# KiCad board HVC-CPU-GPM-02.kicad_pcb (continued)
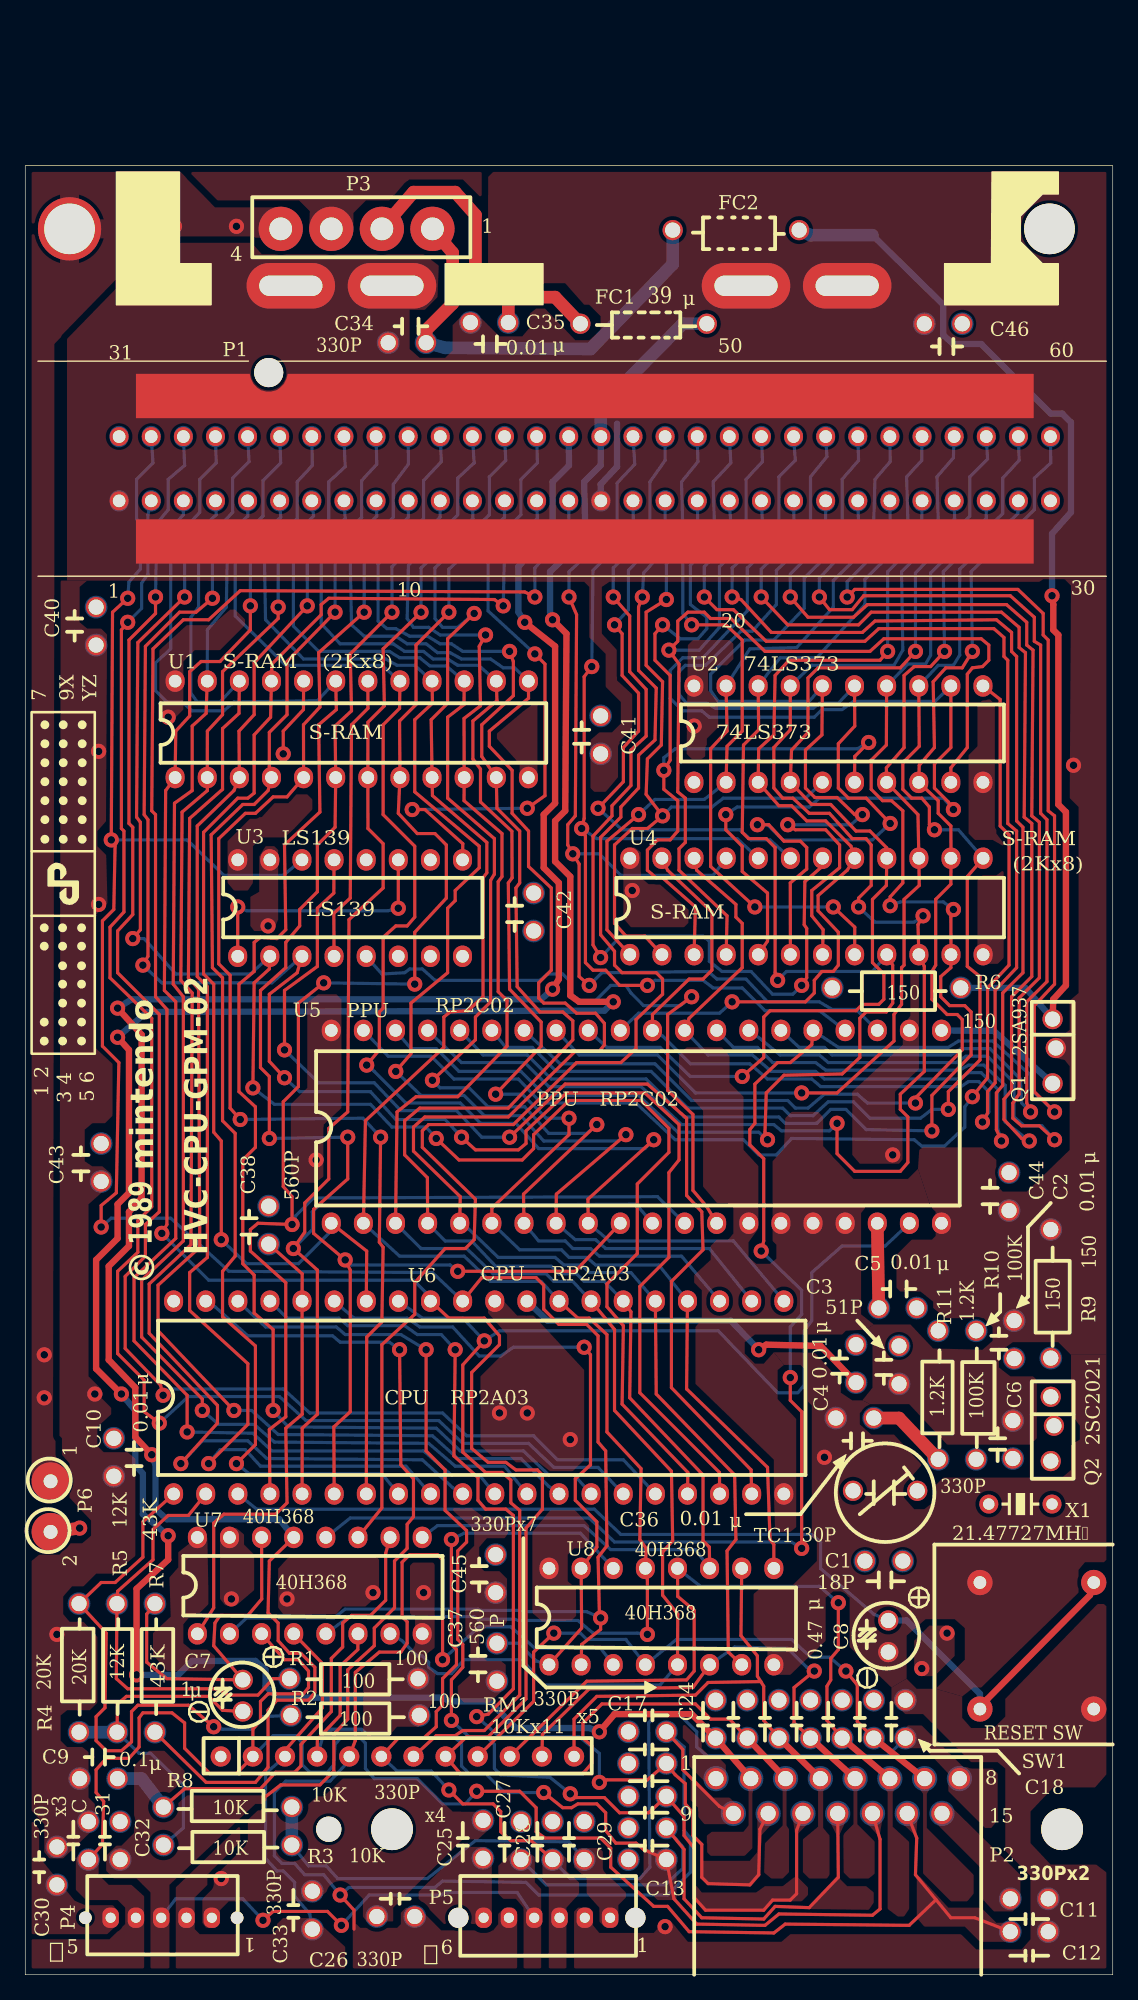
[diagram p0: board, top side]
## Routing (per net, layer and track width the routed paths; a pad name or vN(x,y) marks a point on that pad's centre or on a via; arc(x,y) is an arc through that point) (continued)
/A12: length 124.4
  Top w0.25: v1(10.9,45.8) 10.7,46.6 7.9,49.5 7.9,55.2 9.5,56.8 9.5,59.3 10.6,60.3 10.6,75.9 7.3,79.2 7.3,82.5 8.5,83.8 8.5,90.7 8.2,91 8.2,105.5 10.3,107.6 v1(10.3,108.9)
  Bottom w0.25: v1(10.9,45.8) 11.4,46.3 20.4,46.3 22.5,44.4 33,44.4 34.9,42.6 40.2,42.6 42.1,40.7 47.3,40.7 U6.16 ; P1.33 12.6,119.3 11.3,118.2 11.3,115.8 10.4,114.7 v1(10.3,108.9)
/A13: length 138.3
  Top w0.25: v1(12.6,108.9) 8.9,105.3 8.8,91.5 9.1,91.1 9.1,82.6 v1(8.5,81.9) ; v1(32.5,66.1) 34.3,64.4 39.3,64.4 40.2,65.3 40.2,66.4 43,69.1 48.7,69.1 50.9,66.9 50.9,65 48.4,62.5 48.4,57 46,54.6 46,52.8 47.3,51.3 47.2,45.1 52.4,39.7 U6.17 ; U3.2 19.3,79.5 18.1,78.4 v1(18,70.1)
  Bottom w0.25: v1(8.5,81.9) 9.4,81.9 11.9,79.1 17.8,79.1 U3.2 ; v1(12.6,108.9) 12.6,114.3 13.8,115.6 13.8,118.2 15.1,119.5 P1.34 ; v1(32.5,66.1) 31.7,67 29,67 27.3,68.8 19.7,68.8 v1(18,70.1)
/A14: length 141.3
  Top w0.25: v1(9.3,79.8) 9.7,80.5 9.7,91.3 9.4,91.7 9.5,105 12.2,107.7 13.5,107.7 v1(14.8,108.8) ; v1(34.5,66.2) 35.6,65.2 39,65.2 39.6,65.7 39.6,66.7 42.8,69.7 49,69.7 51.7,67.2 51.7,64.4 50.9,63.4 50.9,56.7 48.6,54.4 48.6,46 54.9,39.7 U6.18 ; v1(20.5,70.9) 19.3,72.2 19.3,77.5 21.5,79.2 U3.3
  Bottom w0.25: v1(9.3,79.8) 10.8,78.4 19.5,78.4 U3.3 ; v1(20.5,70.9) 21.7,69.8 27.3,69.8 29.3,67.6 33.2,67.6 v1(34.5,66.2) ; P1.35 17.7,119.6 16.4,118.3 16.4,115.6 14.8,113.9 v1(14.8,108.8)
/A15: length 88.1
  Top w0.25: U3.13 24.4,85.5 23.1,84.3 23.1,79.7 20.5,77.8 v1(20.5,73.1) ; U6.19 57.4,39.9 51.1,46.4 51.1,54.8 53.6,57.3 53.5,60.3 52.3,61.6 52.3,67.7 49.2,70.4 42.7,70.4 v1(38.3,66.2)
  Bottom w0.25: v1(38.3,66.2) 36.1,66.2 34.1,68.3 29.7,68.3 27.6,70.5 23.2,70.5 v1(20.5,73.1)
/ALE: length 90.1
  Top w0.25: v1(74.9,69.4) 76.1,70.9 76.1,78 77.8,79.8 77.8,90.1 77.1,90.8 77.1,100.8 U2.11
  Bottom w0.25: v1(74.9,69.4) 74.3,68.6 74.3,67 72.7,65.5 70.9,65.5 70.3,66 60.6,66.1 59.4,64.8 58,64.8 56.8,66 51.4,66 48.3,68.9 40.8,68.9 39,70.8 33.9,70.8 32.1,72.6 28.7,72.6 U5.39
/Audio and Video/AUX_SND: length 27.8
  Top w0.25: U7.14 18.7,29.7 17.6,28.4 15.4,28.4 15,27.8 14.9,26 C7.1 11.2,23.4 9.6,24.7 9.6,28.5 R7.1
/Audio and Video/SOUND: length 172.3
  Top w0.25: U7.13 19.3,32.7 19.2,28.6 20,27.8 20,26.4 20.9,25.4 21.8,25.4 22.9,24.3 22.9,22.3 22.4,21.7 19.9,21.7 19.2,20.9 19.2,16.4 18.2,15.2 14.3,15.2 R7.2
  Top w0.5: v1(7.3,76.4) 9.2,74.3 9.2,61.4 8.2,60.3 8.2,57.6 6.6,56 6.6,48.6 8.7,46.4 8.7,42.5 v1(10,41.1) ; v1(41.7,77.9) 42.2,78.7 42.2,86.3 41,87.5 41,91.7 41.9,92.6 41.9,105 v1(39.5,106.9)
  Bottom w0.5: v1(10,41.1) 10.3,40.3 10.3,36.8 11.2,36 20.1,36 U7.13 ; v1(7.3,76.4) 8.4,77.1 40.8,77.1 v1(41.7,77.9) ; v1(39.5,106.9) 39,107.7 39,111.3 41.7,114.3 41.7,118 43,119.3 P1.45
/Audio and Video/VID_A: length 86
  Top w0.5: v1(81.2,109) 81.3,108.3 81.3,106.3 81.7,105.9 81.7,92.5 82.3,91.9 82.3,78.2 81.3,77.1 Q1.1
  Bottom w0.5: Q1.1 79.1,78 R6.2 ; v1(81.2,109) 81.2,113.9 82.7,115.6 82.7,122.7 82,123.4 81.1,123.4 75.6,128.9 73.4,128.9 72.6,129.6 72.6,132 67,137.5
  Bottom w1: 67,137.5 62.1,137.5 FC2.1
/Controllers/4016_CUP: length 127.1
  Top w0.25: 72.03,5.93 69.9,3.9 60.1,4 59.2,3.3 52.5,3.4 50.8,5.4 49.7,5.4 46.3,8.5 46.3,10 45.5,10.8 41.1,10.8 40.4,11.3 40.4,13.2 39.1,14.5 v1(35.7,14.5) ; 72.03,5.93 73.2,4.5 75.1,4.5 C12.1 ; 72.03,5.93 70.4,7.9 70.5,10.8 P2.14 ; U7.3 20.5,24.9 21.6,24.9 22.4,24 22.4,22.7 22,22.2 19.2,22.2 18.6,21.6 18.6,20.1 18,19.4 RM1.2 16.7,15.9 14.6,15.9 12.6,17.9 12.6,19.9 11.6,20.7 9.3,20.7 9,20.3 9,18 8.2,17.1 6.4,17.1 5.6,16.2 5.6,14.4 6.2,13.7 6.1,10.3 C31.1
  Bottom w0.25: RM1.2 19.6,18.9 21.4,18.9 21.9,18.3 21.9,16.6 22.5,16 23.9,16 24.4,16.6 24.5,18.2 25,18.8 26.4,18.8 26.9,18.3 26.9,16.3 27.6,15.5 31,15.5 33,13.5 34.8,13.5 v1(35.7,14.5)
/Controllers/4016_D0: length 27.7
  Top w0.25: U7.4 23.5,24.6 23.5,21.1 20.6,17.8 RM1.3
  Bottom w0.25: C33.1 22.5,4.8 21.3,6.2 21.3,7.3 20.4,8.2 19.9,8.2 19,9.2 19,15.9 RM1.3
/Controllers/4016_D1: length 74.6
  Top w0.25: RM1.4 23.1,18.6 24.9,20.5 24.9,24.4 26.3,25.7 U7.6 ; v1(41,14.4) 42.5,13.2 43.2,13.2 43.7,13.5 45.2,13.5 45.9,12.8 45.9,11.4 46.7,10.4 48.3,10.4 48.9,9.9 C13.1 51.3,6 53.1,4 58.5,3.9 59.6,4.8 67,4.7 67.6,5.2 67.6,10.7 P2.13
  Bottom w0.25: RM1.4 23.5,18.7 24.2,19.4 26.6,19.4 27.4,18.7 34,18.7 34.5,18.3 34.5,16.5 35.1,15.9 36.4,15.9 37.9,14.4 v1(41,14.4)
/Controllers/4016_D2: length 38.7
  Top w0.25: U7.10 28.5,33.3 28.5,29.6 27.3,28.4 25.8,28.4 25.1,27.8 25.1,25.9 24.2,25 24.2,20.8 21.8,18.2 21.8,16.5 21.3,16 19.8,16 18.6,14.7 12.6,14.7 R8.2
  Bottom w1: R8.2 9.2,15.5 C9.1
/Controllers/4017_CUP: length 117.7
  Top w0.25: 26,3.6 26,5.1 v1(24.9,6.3) ; C17.1 52,17.8 52,16.2 54.9,13.3 P2.9 ; RM1.5 26.1,18.5 26.1,23.9 28,25.5 29.7,25.5 30.2,26.2 30.2,27.9 29.8,28.3 29.8,32.6 30.4,33.2 32.6,33.2 33,32.8 v1(33,24.9)
  Bottom w0.25: C17.1 52.1,18 52.1,11.4 52.6,10.8 52.6,8.1 50.8,6.3 40.6,6.3 39.6,7.3 33,7.4 32.4,6.9 25.6,6.9 v1(24.9,6.3) 23.6,7.9 22.1,7.9 21.3,8.8 20.3,8.8 19.7,9.4 19.7,14.4 20.6,15.3 24.1,15.3 25.6,16.9 RM1.5 ; v1(33,24.9) 35.9,27.5 38.4,27.5 40.3,25.8 45.5,25.8 U8.3
/Controllers/4017_D0: length 96.2
  Top w0.25: C28.1 40,10.6 38.4,10.6 37.6,11.3 37.6,12.9 37,13.5 34.6,13.5 v1(33.5,14.6) ; RM1.6 29.5,18.7 31.5,18.7 32.5,19.6 32.5,20.8 33,21.3 33,23.4 34.1,24.5 34.1,25.7 33.7,26.1 v1(33.7,34.4)
  Bottom w0.25: C18.1 68.2,17.3 53.9,17.3 53.1,18 53.1,19.2 51.8,20.5 49.8,20.5 49.3,19.9 49.4,8.5 48.6,7.6 43.1,7.6 C28.1 ; RM1.6 29.4,16.1 32.1,16.1 v1(33.5,14.6) ; v1(33.7,34.4) 34.7,34.9 43.9,34.9 U8.14
/Controllers/4017_D1: length 49.6
  Top w0.25: v1(41.8,27) 40.2,25.5 40.2,21.6 RM1.9 ; v1(64.9,24) 65.8,22.9 65.8,20 C19.1
  Top w0.5: P2.7 C19.1
  Bottom w0.25: v1(41.8,27) 43.9,27 44.4,26.5 47.5,26.5 U8.4 51.5,26.5 60.6,26.5 62.1,25.1 63.6,25.1 v1(64.9,24)
/Controllers/4017_D2: length 56.1
  Top w0.25: C20.1 63.4,20.1 63.4,22.8 63.7,23.3 63.7,25 64.3,25.7 v1(64.3,29.4) ; RM1.10 44.4,23.2 52.3,23.3 52.9,24 52.9,28.8 51.6,29.9 U8.12
  Top w0.5: P2.6 C20.1
  Bottom w0.25: U8.12 53.4,30.7 62.8,30.7 v1(64.3,29.4)
/Controllers/4017_D3: length 38.2
  Top w0.25: v1(62.4,24) 60.8,22.7 60.8,19.9 C21.1 ; U8.6 52.8,22.7 44.6,22.6 40.9,19 RM1.11
  Top w0.5: P2.5 C21.1
  Bottom w0.25: v1(62.4,24) 61.8,24.3 60.3,25.8 56.1,25.9 U8.6
/Controllers/4017_D4: length 37.9
  Top w0.25: C22.1 58.4,20.1 58.4,22.8 58.17,23.17 ; 58.17,23.17 57.9,23.6 57.9,25.2 56.6,26.8 U8.10 ; 58.17,23.17 54,23.1 53,22.1 45.2,22 43.4,20.2 RM1.12
  Top w0.5: P2.4 C22.1
/CPU_CLK: length 29
  Top w0.5: v1(58,49.4) 58.6,49.8 62.9,49.7 C4.1
  Bottom w0.5: v1(58,49.4) 55.8,51.7 41.3,51.7 U6.29
/CPU_SND1: length 44.2
  Top w0.25: v1(14.9,19.6) 12.9,21.3 8.9,21.3 8.4,20.8 8.4,18.4 7.6,17.7 6.4,17.7 5.6,18.5 5.6,20.4 6.3,21.1 6.4,27 R4.1 6,31 7.1,31 9.3,33 9.3,35.8 U6.1
  Bottom w0.25: R2.1 18.8,20.4 17.9,19.4 15.6,19.4 v1(14.9,19.6)
/CPU_SND2: length 33.2
  Top w0.25: R1.1 19.6,23.4 18.4,22.1 16,22.1 15.3,22.6 8.1,22.6 7.2,23.4 R5.1 7.3,30.31 10.1,32.8 10.1,35.2 11.3,36.3 12.9,36.3 U6.2
/D0: length 151.1
  Top w0.25: v1(35.5,107.6) 33.4,105.6 33.4,100.5 32.1,99.2 U1.9 32.2,93.2 36.5,89.5 36.5,87.1 36.2,86.7 36.2,77.3 35,76.2 33.6,76.1 33.1,75.7 33.1,73.3 26.9,67.5 U5.2 ; v1(49.2,26.9) 49.2,31.2 U8.13 49.1,33.7 48.6,34.4 48.7,40 46,42.9 46,50.6 44.6,51.9 43.7,51.9 U6.28
  Bottom w0.25: U5.2 29.6,56.8 34.7,56.8 36.8,54.8 40.8,54.8 U6.28 ; U7.5 25.6,28.3 35.5,28.3 35.8,28.1 38.7,28.1 39,28 43.7,28 44.9,27 48.4,27 v1(49.2,26.9) ; P1.43 38,119.7 36.7,118.4 36.7,115.4 32.4,111.2 32.4,107.2 33,106.5 34.2,106.5 v1(35.5,107.6)
/D1: length 154.1
  Top w0.25: U6.27 46.6,51 46.6,44.6 51.1,39.8 51.2,34.3 50.4,33.4 50.4,30 51.6,28.5 U8.5 ; v1(36.4,105.9) 35.9,105 36,100.3 34.7,99.3 U1.10 34.7,92.8 37.7,90.2 37.7,86.8 37.4,86.4 37.4,77.7 38.1,77 38.1,73.4 34.2,69.4 30.9,69.4 29.4,68.2 U5.3
  Bottom w0.25: U7.7 29.8,26.4 31,25.2 31.4,25.2 31.9,24.7 31.9,24.3 32.6,23.8 33.7,23.8 34.7,24.9 39.3,24.9 41,22.9 50.2,22.9 U8.5 ; U5.3 31.3,57.4 34.9,57.4 37,55.4 41.2,55.4 41.8,54.8 43.3,54.8 U6.27 ; v1(36.4,105.9) 32.8,105.9 31.9,106.5 30.7,106.5 30.2,107.2 30.3,111.4 34.2,115.4 34.2,118.3 35.5,119.5 P1.42
/D2: length 154.9
  Top w0.25: U5.4 31.8,63 30,64.8 30,67.5 31.2,68.5 38.2,68.5 43.3,73.9 43.3,75.4 42.5,76.1 40.7,76.1 38.9,78.1 38.8,85.9 39.1,86.3 39.1,90.4 37.3,92.2 U1.11 36.1,96.3 36.1,98.8 38.6,101.1 38.6,103.8 v1(38.3,104.6) ; U6.26 47.9,52.4 47.8,45.6 53.6,39.5 53.6,34.3 54.1,33.8 U8.11
  Bottom w0.25: U5.4 33.2,58 35.3,58 37.2,56 41.6,56 42.2,55.4 43.6,55.4 44.2,54.8 45.8,54.8 U6.26 ; v1(38.3,104.6) 34.6,104.6 33.7,105.2 32.8,105.2 31.8,105.8 30.4,105.8 29.3,106.4 28.6,106.4 27.9,107 27.9,111.5 31.5,115.1 31.5,118.1 32.9,119.6 P1.41 ; U8.11 53,33.6 46.3,33.6 44.2,35.5 32.6,35.5 U7.9
/D3: length 145.8
  Top w0.25: U5.5 34.4,61.5 30.7,65.1 30.7,67 31.6,67.8 38.2,67.8 43.5,73 45.4,73 45.8,73.5 45.8,75.2 45.1,76 43.6,76 42.7,76.8 41,76.8 40.6,77.2 40.6,78.4 41.6,79.4 41.6,85.9 39.8,87.6 39.8,90.4 38.5,91.8 38.5,95.2 36.7,97.1 36.7,98.3 39.8,100.9 U1.13 ; U8.7 55.6,25.5 55.5,33.5 56.2,34.4 56.1,39.5 49.9,45.9 U6.25
  Bottom w0.25: U1.13 38.7,103.3 37.8,103.3 36.8,104 34.5,104 33.6,104.5 32.6,104.5 31.7,105.2 30.2,105.2 29.3,105.8 26.8,105.8 25.8,106.7 25.7,111.8 29.1,115.2 29.1,117.8 30.3,119.4 P1.40 ; U5.5 34.9,59.1 37.4,56.7 41.9,56.7 42.6,56.1 44,56.1 44.6,55.5 47.9,55.5 U6.25
/D4: length 129.1
  Top w0.25: U8.9 59.2,34 58.9,34.4 58.7,40.1 52.3,46.3 U6.24 ; U5.6 36.9,60.6 43,66.4 v1(43,67.7) ; U1.14 37.3,100.7 35.4,99.1 35.4,96.1 36,95.3 36,92.7 38.48,90.38 38.5,86.7 38.2,86.3 38.3,77.9 40.8,75.3 40.8,73.4 v1(37.2,69.6)
  Bottom w0.25: U5.6 39.1,57.3 42.4,57.3 43,56.7 44.4,56.7 45.1,56.1 50.1,56.1 U6.24 ; v1(43,67.7) 41.2,67.7 39.3,69.6 v1(37.2,69.6) ; P1.39 27.8,119.4 26.6,118.1 26.6,115.2 23.4,112.1 23.4,106.8 24.9,105.2 29.1,105.2 30,104.6 31.5,104.6 32.25,104 33.4,104 34.2,103.5 35.85,103.5 U1.14
/D5: length 111.4
  Top w0.25: U5.7 39.4,61.7 v1(45.2,67.2) ; U1.15 34.7,100.4 33.4,99.4 33.4,93 37.1,89.8 37.1,87 36.8,86.5 36.8,76.9 35.6,75.7 35.6,73.9 v1(32.2,70.7)
  Bottom w0.25: U1.15 33.3,103.45 32,103.45 31.2,104.1 29.6,104.1 28.8,104.6 23.2,104.6 21.2,106.6 21.2,112.2 24,115 24,118 25.3,119.2 P1.38 ; v1(45.2,67.2) 44.4,66.5 41.4,66.5 39.5,68.6 36.6,68.6 35.1,70.1 32.8,70.1 v1(32.2,70.7) ; U6.23 51.9,56.8 45.4,56.8 44.7,57.4 43.3,57.4 42.7,58 40.6,58 U5.7
/D6: length 116.3
  Top w0.25: U1.16 32.2,100.5 30.8,99.2 30.8,93.5 35.9,89.2 35.9,87.5 34,85.7 34,84.9 33.4,84.3 33.4,79.2 30.5,76.8 30.5,72.8 v1(29.3,71.4) ; U5.8 42,61.7 v1(47.5,66.4)
  Bottom w0.25: U5.8 43.5,58.1 45.1,58.1 45.9,57.4 54.1,57.4 U6.22 ; U1.16 30.8,103.5 29.4,103.5 28.5,104 22,104 19,107.1 18.9,112.7 21.5,115.1 21.5,118 22.7,119.3 P1.37 ; v1(47.5,66.4) 46.9,65.9 41,65.9 39.2,67.9 36.3,67.9 34.7,69.5 31.3,69.5 v1(29.3,71.4)
/D7: length 117.6
  Top w0.25: U5.9 44.5,61.3 v1(49.7,66) ; U1.17 29.6,100.1 28.3,98.8 28.3,91.7 30.8,89.2 30.8,83.6 30.2,82.9 29.3,82.9 28.3,82 28.3,76.4 28,76.1 28,73.1 v1(27,71.9)
  Bottom w0.25: v1(27,71.9) 27.6,71.4 30.1,68.9 34.4,68.9 36,67.3 38.8,67.3 40.6,65.3 49,65.3 v1(49.7,66) ; U5.9 46.2,58 56,58 U6.21 ; P1.36 20.2,119.5 18.8,118.1 18.8,115.3 16.6,113.2 16.6,107.4 20.6,103.5 28.2,103.5 U1.17
/MIC: length 29
  Bottom w0.25: C29.1 43,10.5 35.6,10.6 31.8,7.6 24.7,7.6 23.8,8.6 22.4,8.6 R3.1
  Bottom w1: R8.1 R3.1
/OUT0: length 136.5
  Top w0.25: 18.9,14 20.2,15 23.3,15 24.4,16.1 24.4,19 25.5,20.2 25.5,24.1 27.6,26 27.6,27.4 29.2,29 29.2,32.7 30.2,33.7 30.2,35.6 30.7,36.2 30.7,39.2 29.7,40.3 v1(29.6,49.4) ; v1(25,3.9) 23.9,5 19.6,5 v1(18.8,4.3) ; C14.1 52.1,9.9 52.1,6 53.5,4.5 58.4,4.4 59.3,5.4 62,5.3 64.3,7.7 P2.12
  Bottom w0.25: P5.4 38.9,6.5 33.2,6.5 32.9,6.3 27.2,6.3 v1(25,3.9) ; C14.1 52,10.1 52,8.4 50.6,7.1 41.2,7.1 C27.1 ; v1(18.8,4.3) 17.2,6 11.9,6 P4.3 ; U6.39 15,52.8 17.6,50.5 24.3,50.5 24.9,50 28.8,50 v1(29.6,49.4)
/OUT1: length 93.5
  Top w0.25: P2.11 61,11.4 61,6.4 60.5,5.9 59.1,5.9 58.4,5.1 53.8,5.1 52.9,6.1 52.9,10 52.1,11 52.1,12.5 C15.1 49.3,12.8 47,12.8 45.8,14 43.6,14 v1(43.1,14.3) ; v1(31.7,49.4) 31.7,41.4 33.2,39.9 33.2,36.7 34.9,35.1 34.9,34.2 34.2,33.5 34.2,26.5 34.6,26.1 34.6,24.3 33.7,23.3 v1(33.7,20.1)
  Bottom w0.25: U6.38 19,51.2 24.6,51.2 25.3,50.6 29.7,50.6 v1(31.7,49.4) ; v1(43.1,14.3) 41.5,15.6 37.6,15.8 37.1,16.3 37.1,18.2 36.5,18.8 35.1,18.8 v1(33.7,20.1)
/OUT2: length 88.8
  Top w0.25: v1(34,49.4) 33.9,41 35.8,39.3 35.8,37.5 36.4,36.8 38,36.8 38.6,36.3 38.6,22.6 36.62,20.6 v1(35.7,20.4) ; v1(45.4,15.2) 46,15.4 49.2,15.4 C16.1 51.4,15.8 52.2,15.1 52.2,13.5 52.8,12.8 52.8,11 53.5,10.3 53.5,7.7 54,7.2 57.3,7.1 58,7.9 58.1,11.5 P2.10
  Bottom w0.25: v1(35.7,20.4) 37.5,18.8 43.8,18.8 45.4,17.5 v1(45.4,15.2) ; U6.37 20.7,51.9 24.8,51.9 25.5,51.3 30,51.3 31,50.6 32.9,50.6 v1(34,49.4)
/PA0: length 52
  Top w0.25: v1(63.9,84.4) 65.6,82.8 U4.8 ; v1(57.7,84.4) 54.2,87.6 54.2,96.9 55.5,98.3 U2.19
  Bottom w0.25: U2.19 57.3,104.8 61,104.9 63.9,108.1 63.9,110.2 68.4,114.6 P1.25 ; v1(57.7,84.4) v1(63.9,84.4)
/PA1: length 66
  Top w0.25: U4.7 63.1,82.6 62.2,83.7 62.2,85.7 64.4,87.5 64.4,89.3 63.3,90.5 60.9,90.5 v1(60.3,90.9) ; v1(66.2,91.7) 65.6,91.7 64.2,93.05 62.45,93.05 61.7,93.8 61.7,96.8 63,98 U2.16
  Bottom w0.25: P1.24 65.9,114.6 61.6,110.4 61.6,108 59.2,105.5 56.9,105.5 54.2,102.8 54.2,101.5 54.8,100.65 62,100.65 U2.16 ; v1(66.2,91.7) 65.3,90.9 v1(60.3,90.9)
/PA2: length 75.8
  Top w0.25: v1(68.4,91) 66.5,93 65.1,93 64.3,93.8 64.3,97.3 65.6,98.7 U2.15 ; U4.6 60.5,86.3 61.8,87.4 61.8,89.1 61.3,89.6 60,89.6 58.8,90.9 v1(57.9,90.9)
  Bottom w0.25: U2.15 64.3,100.5 62.8,100.5 62.3,100.1 54.6,100.1 53.9,100.5 52.3,100.5 51.7,101.2 51.7,103 52.2,103.5 53.8,103.5 56.6,106.2 57.5,106.2 59.4,108.3 59.4,111 63.3,114.7 P1.23 ; v1(68.4,91) 67,89.7 59.9,89.7 58.7,90.9 v1(57.9,90.9)
/PA3: length 86.8
  Top w0.25: U2.12 73.2,97 71.9,95.7 71.9,93.8 73,92.7 v1(73.4,92.1) ; U4.5 58.7,81.7 58.7,85.5 56.7,87.2 56.7,89.2 55.4,90.5 v1(55.4,91.7)
  Bottom w0.25: U2.12 71.95,100.65 65.5,100.65 64.6,100 63,100 62.4,99.4 54.1,99.4 53.5,99.9 52,99.9 51,100.9 51,103.1 52,104.1 53.6,104.1 57.1,107.8 57.1,111.2 60.8,114.7 P1.22 ; v1(73.4,92.1) 72.6,93 62.8,93 62,92.3 56.3,92.3 v1(55.4,91.7)
/PA4: length 84.3
  Top w0.25: U4.4 55.5,83.7 51.7,87.3 51.7,89 52.2,89.5 52.2,93 51.6,93.5 51.7,103.6 v1(50.9,104.7) 51.6,105.4 51.6,107 52.4,107.7 53.7,107.7 54.2,107.2 55.8,107.2 58.5,104.6 66.8,104.6 67.9,105.6 75.6,105.6 76.2,105.1 76.2,103.9 75.7,103.4 74.9,103.3 74.5,102.8 74.5,97 73.2,95.4 U2.9
  Bottom w0.25: P1.21 58.3,114.6 54.9,111.3 54.9,106.5 53.3,104.7 v1(50.9,104.7)
/PA5: length 68.5
  Top w0.25: v1(66.7,97.4) 65.6,96.3 U2.6 ; U4.3 53,84.4 50.4,86.7 49.9,86.7 49.2,87.3 49.2,88.9 50,89.7 51,89.7 51.6,90.4 51.6,92.8 50.5,93.7 v1(50.5,95.2) 51,96 51,102.7 49.8,103.9 49.8,106 v1(50.4,106.7)
  Bottom w0.25: v1(50.5,95.2) 50.5,96.2 51.4,96.9 65.8,96.9 v1(66.7,97.4) ; v1(50.4,106.7) 51.8,105.6 53.2,105.6 53.9,106.4 53.9,107.3 52.6,108.3 52.6,111.4 55.8,114.6 P1.20
/PA6: length 57.6
  Top w0.25: v1(50.7,108.7) 49.1,107.7 49.1,103.5 50.4,102.2 50.3,97.2 49.2,96.1 49.1,93.3 v1(50.4,91.6) 49.2,90.6 48,90.6 46.6,89.3 46.6,83.1 47.5,82.1 49,82.1 U4.2
  Bottom w0.25: P1.19 53.2,114.2 50.7,111.5 v1(50.7,108.7) ; U2.5 61.7,93 55.2,93 54.3,92.3 51.1,92.3 v1(50.4,91.6)
/PA7: length 53.6
  Top w0.25: v1(48.5,91.7) 46,89.6 46,82.6 U4.1 ; U2.2 55.5,97.1 56.7,98.3 56.7,105.5 55.4,106.7 v1(52.7,106.7)
  Bottom w0.25: U2.2 53.7,92.9 49.8,92.9 v1(48.5,91.7) ; v1(52.7,106.7) 52,107.6 52,111.8 54.5,114.6 54.4,118 55.8,119.5 P1.50
/PA8: length 129.2
  Top w0.25: v1(53.7,108.9) 54.7,107.9 56,107.9 58.6,105.4 66.4,105.4 67.5,106.4 76.6,106.4 77.4,105.7 77.4,104.2 77.7,103.9 77.7,91 78.4,90.4 78.4,79.6 76.7,77.8 76.7,70.5 76.1,69.8 76.1,68.1 v1(75.7,67.4) ; U5.30 49.6,75.9 52.5,78.7 53.6,78.7 54.3,79.4 54.3,84 50.8,87.3 U4.23
  Bottom w0.25: U5.30 50.4,74.2 52.6,72 57.3,72 58.7,70.8 62.2,70.8 62.9,70.2 74,70.2 74.6,70.6 75.4,70.6 76.2,69.8 76.2,68.2 v1(75.7,67.4) ; P1.51 58.3,119.6 57,118.2 57,114.7 53.7,111.3 v1(53.7,108.9)
/PA9: length 128.5
  Top w0.25: U5.29 52.5,75.6 56.7,79.6 56.7,83.1 56.2,83.6 56.2,84.6 53.1,87.3 U4.22 ; v1(55.9,108.9) 56.6,108.7 59,106.1 66.2,106.1 67.2,107 76.8,107.1 78,106.1 78,104.6 78.4,104.2 78.4,91.2 78.9,90.7 78.9,79.2 77.3,77.6 77.3,70.3 76.8,69.7 76.8,66.8 v1(77.2,65.9)
  Bottom w0.25: v1(77.2,65.9) 76.9,66.9 76.9,70 75.6,71.3 74.6,71.3 73.9,70.8 63.2,70.8 62.5,71.4 59,71.4 57.5,72.7 54,72.7 U5.29 ; v1(55.9,108.9) 55.9,111.2 59.6,114.7 59.6,118.4 60.9,119.7 P1.52
/PA10: length 110.1
  Top w0.25: v1(58.2,108.9) 60.3,106.7 65.9,106.7 66.9,107.7 77.2,107.7 78.6,106.5 78.6,104.9 79.1,104.5 79,91.5 79.6,91 79.6,78.9 78,77.3 78,69.9 77.4,69.2 77.4,67.6 78.8,66.1 v1(79.4,65.9)
  Bottom w0.25: v1(58.2,108.9) 58.2,111.1 62.1,114.9 62.1,118.4 63.4,120 P1.53 ; U5.28 56,73.3 57.9,73.3 59.1,72.1 62.5,72.1 63.3,71.5 73.9,71.5 74.6,71.9 75.8,71.9 77.5,70.3 77.5,67.4 v1(79.4,65.9)
/PA11: length 109.2
  Top w0.25: v1(60.5,108.9) 61.9,107.3 65.5,107.3 66.6,108.3 77.6,108.3 79.2,106.9 79.2,105.1 79.7,104.7 79.6,91.6 80.2,91.1 80.2,78.8 78.6,77.2 78.6,69.6 78.1,68.9 78.1,67.7 78.8,67.1 80.2,67.1 v1(81.4,66)
  Bottom w0.25: v1(81.4,66) 80.4,67.1 79,67.1 78.2,67.8 78.2,70.5 76.1,72.6 74.4,72.6 73.6,72.1 63.5,72.1 62.8,72.7 59.7,72.7 58.1,74 U5.27 ; P1.54 65.9,119.7 64.6,118.2 64.6,114.9 60.5,110.7 v1(60.5,108.9)
/PA12: length 97.6
  Top w0.25: v1(62.8,108.9) 63.6,107.9 65.4,107.9 66.3,109 77.9,109 79.8,107.3 79.8,105.4 80.3,105.1 80.3,91.8 80.8,91.3 80.8,78.5 79.2,76.9 79.2,68.9 v1(79.5,68.2)
  Bottom w0.25: v1(62.8,108.9) 62.8,110.4 67.1,114.9 67.2,118.2 68.4,119.6 P1.55 ; U5.26 61.2,73.3 63.2,73.3 63.8,72.7 73.2,72.7 74,73.2 76.3,73.2 78.7,70.8 78.8,68.9 v1(79.5,68.2)
/PA13: length 180.5
  Top w0.25: v1(65,108.9) 65.6,109.5 78.5,109.5 80.5,107.6 80.5,105.9 80.9,105.5 80.9,92 81.4,91.6 81.4,78.3 79.8,76.6 79.8,69.8 v1(81.4,68.2) ; U5.25 62.2,73.52 60.5,72.1 59.5,72.1 57.7,70.4 57.7,67.3 57.3,66.8 57.3,65.6 58.4,64.5 58.4,58 v1(58.2,57.2) ; v1(61.4,33.7) 61.4,44.5 60.5,45.4 v1(60.5,47.2)
  Bottom w0.25: U5.25 64.3,73.3 73,73.3 73.8,73.8 76.5,73.8 79.5,71.1 79.5,70 v1(81.4,68.2) ; P1.56 70.9,119.7 69.7,118.4 69.8,115 65,110.1 v1(65,108.9) ; v1(61.4,33.7) 60.6,34.2 46.6,34.2 44.6,36.1 25.7,36.1 U7.12 ; v1(60.5,47.2) 60.5,51.2 61.4,52.2 61.4,54.1 v1(58.2,57.2)
/PD0: length 112.2
  Top w0.25: U2.18 58,98.4 56.8,97.2 56.7,90.3 57.2,89.8 58.6,89.8 59.3,89.1 59.3,79.2 v1(59.5,78.6) ; U4.9 68.6,79.8 68.6,76.8 68.1,76.1 66.5,76.1 66,75.6 66,72.5 64.6,71.2 60,71.1 58.6,69.7 58.5,66.6 v1(58.7,66)
  Bottom w0.25: U2.18 59.7,104.1 62.6,104.1 66.4,108.3 66.4,110.3 70.9,114.7 P1.26 ; v1(58.7,66) 58,66.6 51.6,66.6 48.5,69.5 41.1,69.5 39.2,71.4 34.3,71.4 32.5,73.2 30.5,73.2 U5.38 ; U4.9 67,79.3 60.2,79.3 v1(59.5,78.6)
/PD1: length 118.5
  Top w0.25: v1(71,83.7) 70.6,83 U4.10 71.1,79.7 71.1,71.4 69.2,69.6 69.2,68.4 69.8,67.8 69.8,64.2 69.2,63.5 65.6,63.5 64.2,64.9 v1(64.2,67.3) ; U2.17 60.5,98.4 59.2,97 59.2,93.8 59.9,93 60.7,93 62,91.8 63.6,91.8 65.4,89.8 66.5,89.8 66.9,89.3 66.9,86.1 65.9,85.1 v1(65.9,84.4)
  Bottom w0.25: U5.37 34.5,72.1 39.5,72.1 41.4,70.2 48.7,70.2 51.9,67.2 59.2,67.2 59.8,66.7 63.6,66.7 v1(64.2,67.3) ; P1.27 73.5,115.1 69.3,110.9 69.4,104.7 68.7,103.5 62.2,103.5 U2.17 ; v1(65.9,84.4) 67.2,83.2 70.3,83.2 v1(71,83.7)
/PD2: length 106
  Top w0.25: v1(68.4,84.5) 68.4,85.2 69.4,86.3 69.4,92 68.5,92.8 67.8,92.8 66.9,93.7 66.9,96 68.1,97.2 U2.14 ; v1(71.7,66.7) 71.7,69.5 74.8,72.7 74.8,76.1 74.3,76.6 73.1,76.6 72.4,77.3 72.4,78.9 73.2,79.6 U4.11 73.2,83.6 v1(73.4,84.2)
  Bottom w0.25: v1(68.4,84.5) 69.2,84.8 72.6,84.8 v1(73.4,84.2) ; v1(71.7,66.7) 66.5,66.8 64.9,68.4 63.7,68.4 62.6,67.3 60.1,67.3 59.6,67.8 52.1,67.8 49.1,70.8 41.6,70.8 39.7,72.7 36.2,72.7 U5.36 ; U2.14 69.8,103.6 71.2,103.6 71.6,104.3 71.6,110.8 76,115.1 P1.28
/PD3: length 98.8
  Top w0.25: U2.13 70.7,97.1 69.4,95.8 69.4,93.7 70.1,93 70.9,93 71.5,92.3 71.5,90.9 v1(71.9,90.5) ; U4.13 74.5,86.8 74.5,79.7 75.5,78.9 75.5,72.3 73,69.8 v1(73,68.4)
  Bottom w0.25: U2.13 72.2,103.5 73.4,103.5 73.9,104.3 73.9,111.1 78.5,115.5 P1.29 ; v1(71.9,90.5) 73.8,90.5 U4.13 ; U5.35 38,73.3 40.1,73.3 42,71.4 49.5,71.4 52.4,68.5 59.9,68.5 60.5,67.9 62.3,67.9 63.5,69 65.5,69 66.8,67.7 70.8,67.7 71.7,68.4 v1(73,68.4)
/PD4: length 96.4
  Top w0.25: v1(74.9,104.6) 74.1,103.3 72.8,103.3 71.8,102.2 71.9,97 70.7,95.6 U2.8 72.2,92.8 72.2,91.8 73.2,90.8 U4.14 73.2,86.2 72,85 72,79.8 71.7,79.3 71.7,77.1 72.9,75.9 73.7,75.9 74.1,75.5 74.1,73.1 70.4,69.3 v1(70.4,68.9)
  Bottom w0.25: v1(74.9,104.6) 74.8,110.9 79.8,115.8 79.8,118.3 81.1,119.5 P1.60 ; v1(70.4,68.9) 66.6,68.9 65.8,69.6 63.2,69.6 61.9,68.5 60.9,68.5 60.3,69.1 52.7,69.1 49.8,72 42.3,72 U5.34
/PD5: length 85.1
  Top w0.25: v1(72.7,104.6) 71.6,103.4 70.3,103.4 69.5,102.7 69.5,97 68.1,95.4 U2.7 70.6,91.7 U4.15 70.7,86.1 69.5,85 69.5,79.8 69.3,79.6 69.3,76.7 68.7,75.9 68.7,73.8 64.2,69.7 v1(61.4,69.7)
  Bottom w0.25: U5.33 43.8,72.7 50,72.7 53,69.7 v1(61.4,69.7) ; v1(72.7,104.6) 72.6,110.9 77.3,115.5 77.3,118.3 78.6,119.7 P1.59
/PD6: length 89.2
  Top w0.25: v1(56.7,71) 58.4,72.5 58.4,75.7 58.9,76.2 65.7,76.2 66.2,76.7 67.5,76.7 67.9,77.1 67.9,79.1 67,80 67,85 68.1,86.1 U4.16 68.1,89.1 66.8,90.4 65.7,90.4 63.7,92.5 62.2,92.5 U2.4 60.6,96.8 61.9,98.2 61.9,102.5 62.7,103.3 69.2,103.3 v1(70.4,104.6)
  Bottom w0.25: v1(70.4,104.6) 70.4,110.8 74.7,115.3 74.7,118.4 76.1,119.8 P1.58 ; v1(56.7,71) 52.6,71 50.2,73.3 46,73.3 U5.32
/PD7: length 78.6
  Top w0.25: v1(55.9,76.9) 61.7,76.9 62.4,77.6 62.4,78.6 63,79.3 63.9,79.3 64.3,79.8 64.3,82.4 62.7,84.1 62.7,85.3 65,87.3 U4.17 65.3,89.2 63.3,91.2 61.8,91.2 60.6,92.4 59.6,92.4 U2.3 58,96.9 59.2,98 59.3,102.7 60.4,103.9 67.6,103.9 v1(68.2,104.6)
  Bottom w0.25: v1(55.9,76.9) 54.9,76 48.5,76 U5.31 ; v1(68.2,104.6) 68.2,110.9 72.2,115 72.1,118.4 73.4,119.9 P1.57
/POWER:
  vias: v1(1.5,49) v1(1.5,45.6) v1(11.8,138.2) v1(16.7,138.2)
/PPU_CLK: length 6.7
  Top w1: C5.1 U5.18
/PPU_VIDEO: length 10.4
  Bottom w0.5: U5.21 76.6,74.6 Q1.3
/R/~{W}: length 97.8
  Top w0.25: v1(15.5,58.1) 15.5,65.9 14.9,66.6 14.9,78.3 14.1,79.1 14.1,90.3 16.8,93 17.6,93 18.1,93.4 18.1,98 19.4,99.4 U1.21 19.5,103.6 23.4,107.5 23.4,108.3 24,108.8 37.1,108.7 v1(37.8,108.2) ; U5.1 27,57.2 U6.34
  Bottom w0.25: P1.14 40.5,115.1 37.9,112.7 v1(37.8,108.2) ; U5.1 24,58.6 21.6,56.2 17.5,56.2 v1(15.5,58.1)
/RF_AUDIO: length 26.9
  Top w1: P3.2 30.7,140.9 34,140.9 35.6,139.1 35.6,133.2 36.2,132.6 38.2,132.6 ; 38.2,132.6 41.9,132.6 FC1.2 ; 38.2,132.6 C35.1
/RF_VIDEO: length 35.5
  Top w1: P3.1 33.8,136.1 33.8,132.1 31.7,130 C34.1
  Bottom w1: C34.1 33.2,128.6 44.7,128.5 51.2,135.2 FC2.2
/SOUND+CART: length 214.7
  Top w0.5: v1(46.5,76.9) 43.8,76.9 43.1,77.4 43.1,86.8 41.9,88 41.9,91.2 42.7,92 42.8,106 v1(41.7,107.1) ; v1(7.6,45.9) 5.6,47.9 5.6,56.5 7.3,58.2 7.3,60.9 8.2,61.8 8.2,73.1 v1(7.3,74.1) ; v1(11.3,34.7) 11.3,32.8 8.8,30.5 v1(8.8,23.7) ; v1(45.4,19.2) 46.6,20.6 52.7,20.6 C24.1 P2.2
  Bottom w0.5: v1(7.3,74.1) 9.6,76.1 45.8,76.2 v1(46.5,76.9) ; v1(45.4,19.2) 44.6,19.5 38.8,19.5 36.7,21.6 33.5,21.6 33.1,21.9 20,21.9 19,22.8 19,24.1 18.2,24.8 13.2,24.8 12.1,23.7 v1(8.8,23.7) ; v1(7.6,45.9) 8.7,44.6 8.7,40.3 9.3,39.6 9.3,36.4 v1(11.3,34.7) ; v1(41.7,107.1) 41.5,107.7 41.5,110.9 44.3,113.6 44.2,118 45.5,119.3 P1.46
  Bottom w1: FC1.1 52,130.5 45.5,123.9 P1.46
/VA10: length 44.6
  Top w0.25: v1(46.6,106.7) 47.2,106 47.2,102.7 48.5,101.3 48.5,98.3 47.3,97 47.3,94.3 v1(45.3,92.2)
  Bottom w0.25: P1.18 50.6,114.1 47.7,111 47.7,107.9 v1(46.6,106.7) ; U4.19 58.9,89.7 57.4,89.7 56.5,90.5 47.2,90.5 v1(45.3,92.2)
/~{INP0}: length 37.8
  Top w0.25: U7.1 14.9,29 14.9,35.7 15.7,36.4 19.8,36.4 20.7,37.3 20.6,43.2 21.9,44.3 U6.36 21.9,55.4 C38.1
/~{INP1}: length 54.4
  Top w0.25: v1(44.2,49.6) 44.7,49 44.7,40.3 43.5,39.2 43.5,37.5 45.2,35.8 45.2,33.8 U8.15 44,27.4 U8.1
  Bottom w0.25: U6.35 26,51.9 30.2,51.9 31.2,51.2 33.8,51.2 35.9,48.9 37.6,48.9 38.6,49.6 v1(44.2,49.6) ; C37.1 39,26.2 40.4,24.8 U8.1
/~{IRQ}: length 195.6
  Top w0.25: C23.1 55.7,20.2 54.2,20.2 53,21.4 45.6,21.4 44.1,19.9 44.1,18.7 44.8,18.1 44.8,16.7 44.1,15.9 34.4,15.9 RM1.8 34.9,18.8 36.6,18.8 39.6,21.8 39.6,35.3 40.9,36.8 40.9,39.5 40.5,39.9 38.8,39.9 38,40.5 36.6,40.5 35.3,41.6 35.3,47.6 37.5,49.8 37.5,50.5 36.3,51.9 33.5,51.9 U6.32 ; v1(10.8,58.6) 11.2,59.3 11.2,76.3 10.3,77.3 10.3,91.7 10,92 10.1,104.8 12.5,107.1 14.5,107.1 17,109.4 39.5,109.3 v1(40.3,108.9)
  Top w0.5: P2.3 C23.1
  Bottom w0.25: v1(10.8,58.6) 14.5,54.9 30.7,54.9 31.6,54 U6.32 ; P1.15 43,114.2 40.3,111.2 v1(40.3,108.9)
/~{NMI}: length 96
  Top w0.25: RM1.7 32.5,18.9 34,18.9 34.6,19.3 36.3,19.3 39.1,22.1 39.1,36.7 38.4,37.3 38.4,39.1 37.7,39.7 36.4,39.7 34.6,41.3 34.6,48.2 v1(36.3,50.1)
  Bottom w0.25: U5.19 68,57.6 64.6,57.6 62.2,55.5 62.2,51.7 61.6,50.9 61.6,46.6 61.1,46 59.5,46 54.8,50.9 37.5,50.9 v1(36.3,50.1) 34.6,51.9 31.4,51.9 U6.33
/~{PA13}: length 115
  Top w0.25: U7.11 28.2,36.9 28.2,49.8 30.8,52.2 30.8,54.7 33.2,57.4 34.8,57.4 35.5,58.1 35.6,61.3 31.4,65.4 31.4,66.7 31.9,67.2 38.6,67.2 43.6,72.1 47.1,72.1 48.3,73.2 48.3,75.5 50.4,77.5 50.4,78.7 49.9,79.2 47.2,79.2 46.6,79.8 46.6,80.9 45.5,82.2 45.5,89.9 47.1,91.5 47.1,92.3 48.5,93.8 48.5,96.4 49.8,97.6 49.9,101.7 48.5,103.1 48.5,108.1 v1(48.8,108.9)
  Bottom w0.25: v1(48.8,108.9) 48.9,110.8 52,114.2 51.9,118 53.2,119.6 P1.49
/~{PR}: length 75.9
  Top w0.25: v1(44.8,103.4) 44.2,102.6 44.2,91.4 v1(44,90.6) 44.3,90 44.3,80 44.9,79.4 45.9,79.4 47,78.2 v1(49.2,78.2)
  Bottom w0.25: v1(44,90.6) 45.2,89.8 56.3,89.8 U4.20 ; v1(44.8,103.4) 44.9,111 48.1,114.2 P1.17 ; U5.24 62.8,76.2 58.5,76.2 56.7,78 54.4,78 53.6,78.6 49.8,78.6 v1(49.2,78.2)
/~{PW}: length 85.1
  Top w0.25: v1(44.6,78.2) 43.8,78.9 43.8,87.8 v1(43.3,88.6) 42.9,89.3 42.9,90.9 43.5,91.6 43.6,107.5 v1(43,108.9)
  Bottom w0.25: v1(44.6,78.2) 45.6,79.2 54,79.3 54.7,78.7 57,78.7 58.7,76.9 62.8,76.9 63.8,76.3 65.7,76.3 U5.23 ; P1.47 48.2,119.4 46.8,117.9 46.8,114.4 43,110.9 v1(43,108.9) ; v1(43.3,88.6) 45.4,88.6 47.1,86.9 54.4,86.9 U4.21
/~{RST}: length 80.8
  Top w0.5: SW1.2 84.2,30 76.1,21.8 SW1.3
  Bottom w0.25: U6.3 18.3,36.8 45,36.8 47.1,34.8 62.2,34.8 62.9,34.2 62.9,32.1 67.1,28.5 C8.1
  Bottom w0.5: SW1.3 75.5,22.2 69.7,28 C8.1
/~{VCS}: length 76.2
  Top w0.25: v1(45.5,80.4) 44.9,81.4 44.9,90 46.4,91.6 46.4,92.4 47.9,94 47.9,96.8 49.1,97.9 49.1,101.6 47.8,103 47.8,107.4 v1(46.5,108.9) ; v1(61.4,78.2) 61.8,78.8 61.8,82.7 61.6,83 61.65,86.4 62.9,87.5 U4.18
  Bottom w0.25: v1(45.5,80.4) 47.1,82.1 53.6,82.1 54.1,81.7 54.1,80.1 55.1,79.3 57.4,79.3 59.1,77.5 60.7,77.5 v1(61.4,78.2) ; v1(46.5,108.9) 46.5,111.2 49.4,114.1 49.4,118 50.6,119.7 P1.48
/Φ2: length 185.6
  Top w0.25: v1(8.1,108.8) 6.9,107.7 v1(6.8,89.7) 7.1,89.2 7,84.2 6.1,83.3 6.1,73.4 7.4,72.1 7.2,61.8 6,60.8 v1(6,59.1) ; U6.31 36.1,55.1 40.4,55.1 41,54.5 41,52.6 42.2,51.4 44.4,51.4 45.3,50.5 45.3,42.1 45.9,41.4 46,33.9 45.3,33 45.4,28.7 v1(45.5,28.2) 45.5,27.3 44,26.1 U8.2
  Bottom w0.25: v1(6.8,89.7) 12.8,89.7 15.7,86.9 20.4,86.9 U3.14 ; P1.32 10.1,119.5 8.8,118.2 8.8,115.1 9.1,114.4 9.1,111.1 8.2,110.1 v1(8.1,108.8) ; v1(45.5,28.2) 44.4,28.7 39.4,28.7 39.1,28.8 36,28.8 35.8,28.9 25.3,28.9 24.4,28.2 17.5,28.2 U7.2 ; v1(6,59.1) 6.8,59.8 11.5,59.8 16.1,55.6 32.2,55.5 U6.31
Net-(C7-Pad2): length 28.2
  Top w0.25: C7.2 15.6,20.9 14.5,22 8,22 7.3,21.4 R5.2
  Bottom w0.25: R3.2 12.5,11.6 12.5,15 9.9,17.5 9,17.5 R5.2
  Bottom w1: R4.2 R5.2
Net-(U3A-~{E}): length 20.5
  Top w0.25: v1(29.5,84.3) U3.11 ; v1(16.8,84.4) U3.1
  Bottom w0.25: v1(16.8,84.4) 17.5,84.1 28.7,84.1 v1(29.5,84.3)

## Copper pours and planes (outline as drawn; the poured copper is in the pictures)
+5V on Top: 75.5,8.5 75.5,6.2 76.6,5 78.1,5 78.7,5.7 78.7,7.9 72.9,13.6 72.1,13.6 71.6,13.1 71.6,12.4
+5V on Top: 52.7,96.1 53.5,96.1 53.9,96.4 53.9,97.7 54.8,98.6 54.8,100.7 54,101.5 54,103 54.6,103.5 55.5,103.5 56,104 56,105.2 55.7,105.5 52.8,105.5 52.4,105.1 52.3,96.5
+5V on Top: 0,12.9 1.1,11.5 1.1,9.3 3.9,5.85 4.6,5.55 6.9,5.55 7.4,4.9 7.4,3.95 6.4,3.1 0.02,3.1
+5V on Top: 12.5,100 12.5,103.8 13.4,104.7 15.4,104.7 17.4,106.7 17.4,107.1 16.6,107.9 16.2,107.9 14.8,106.7 12.8,106.7 10.6,104.7 10.6,99.8 10.7,99.3 11.9,99.4
+5V on Top: 71.5,27.6 70.3,26.4 70.3,24.2 71.1,23.6 71.9,23.6 73.5,25.2 73.5,27 72.8,27.6
+5V on Top: 66,64.1 65.4,64.8 65.4,69.8 69.4,73.5 69.4,75 70,75.8 70,79.1 70.2,79.3 70.5,79.3 70.7,79.1 70.7,71.6 68.8,69.8 68.8,68.1 69.5,67.4 69.5,64.6 69.1,64.1
+5V on Top: 43.5,36.7 44.6,35.5 44.6,34.1 44.1,33.7 43.4,33.7 42.9,33.2 42.9,31.1 43.6,30.5 43.6,28.4 43.2,28 40.9,27.9 40.1,28.6 40.1,35 41.5,36.7
+5V on Top: 31.1,6 33.4,3.7 36.6,3.7 36.9,4.1 36.9,9.6 36.4,10.1 34.6,10.1 31.1,6.6
+5V on Top: 18,86.3 18,89.2 18.7,89.9 20.6,89.9 22.7,92.1 22.7,92.9 22.3,93.3 21.4,93.3 20.8,92.6 19.7,92.6 18.7,91.5 17.9,91.5 16,89.6 16,86.3 16.5,85.7 17.6,85.7
+5V on Top: 14.5,29.3 14.4,34.6 13,34.6 13,34.1 12.1,33.4 12.1,32.2 11.4,31.4 11.5,28.3 10.1,27 10.1,25.3 11.2,24 14.6,24 15,24.4 15,25.2 14.4,25.7 13.1,25.7 12.5,26.2 12.5,27.7 13,28.3 13.5,28.3
